# Altium PCB LimeNet-Micro_2v0.PcbDoc (part 11 of 11)
Units mm, origin at the board's own origin, x right, y up, seen from the top; angles counter-clockwise.
Board outline 75 x 143 mm, 6 copper layers (Top, L2, L3, L4, L5, Bottom), stack 1.583 mm thick; 781 components, 551 nets, 3551 pads, 1336 vias.
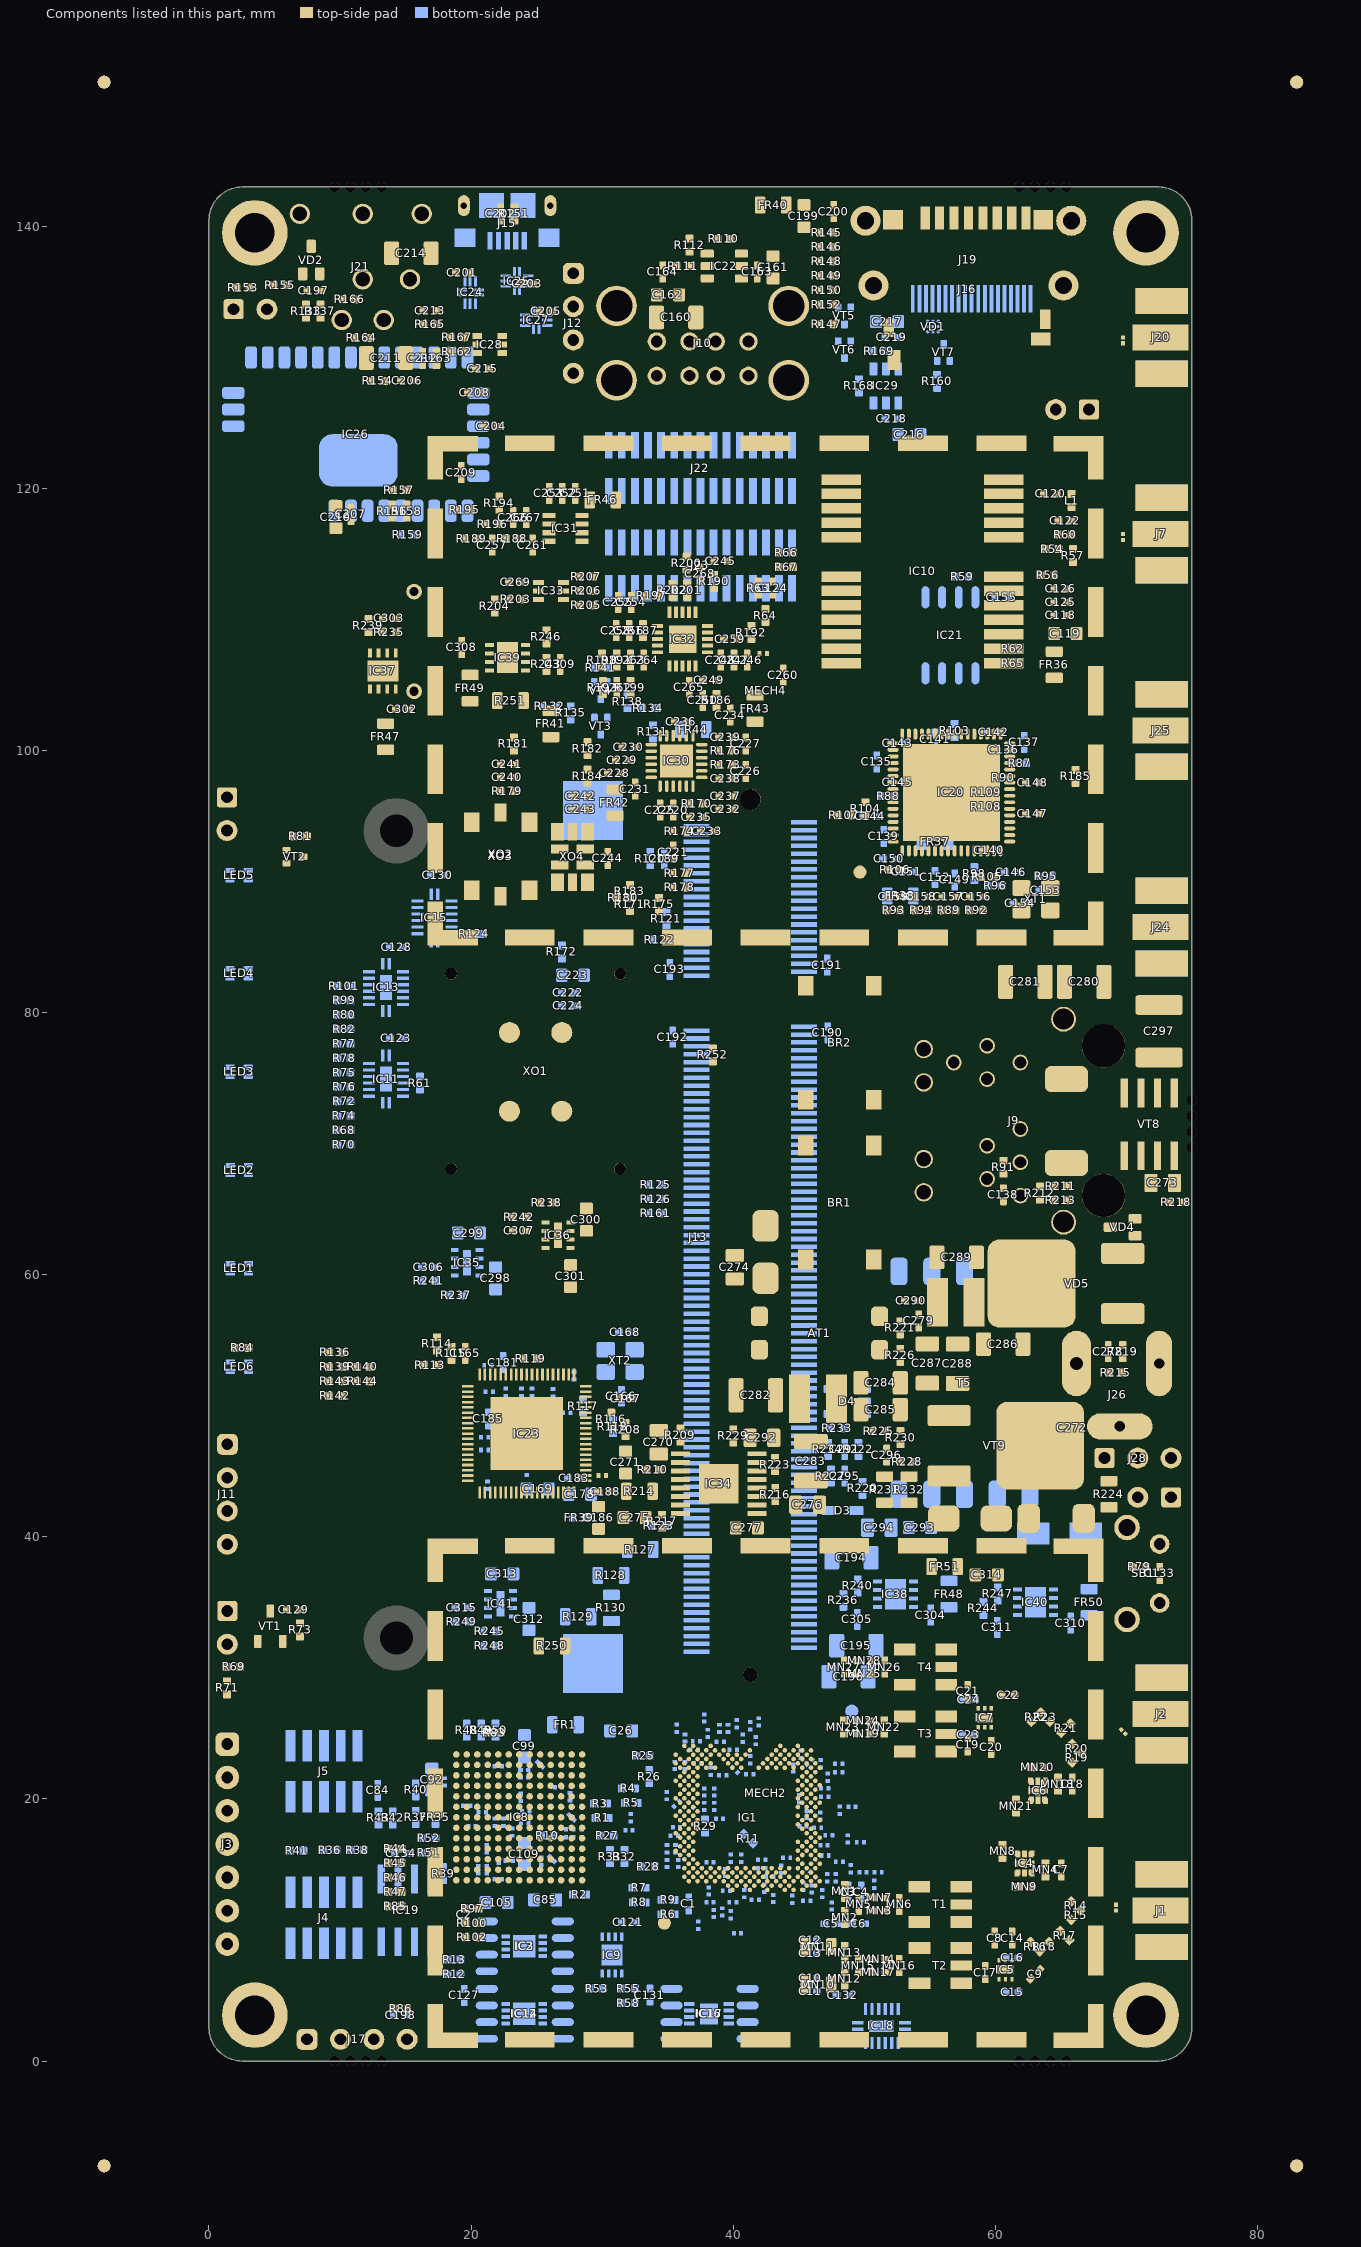
[diagram p15: the components of this part, seen from the top]

## Other copper (continued)
Bottom:
  pour cut-out: 57.631,123.194 56.694,124.131 cw(c58.49,125.927) 55.95,125.927 55.95,126.877 cw(c56.889,126.877) 56.225,127.541 ccw(c55.803,127.964) 56.4,127.964 56.4,128.786 cw(c57.159,128.786) 56.622,129.322 56.775,129.475 ccw(c56.232,130.018) 57,130.018 57,132.15 58.614,132.15 58.614,123.194
  pour cut-out: 62,112.175 62,112.605 ccw(c60.805,112.605) 61.65,113.45 ccw(c60.564,112.364) 60.564,113.9 56.377,113.9 ccw(c56.377,111.36) 54.581,113.156 53.919,112.494 ccw(c55.715,110.698) 53.175,110.698 53.175,105.557 ccw(c55.094,105.557) 53.737,104.2 53.831,104.106 cw(c52.035,102.31) 54.575,102.31 54.575,100.532 ccw(c56.282,100.532) 55.075,99.325 56.431,97.969 ccw(c58.227,99.765) 58.227,97.225 60.975,97.225 cw(c60.975,96.125) 62.075,96.125 62.075,95.55 cw(c61.7,95.55) 61.7,95.175 58.677,95.175 cw(c58.677,97.715) 56.881,95.919 54.244,98.556 cw(c56.04,100.352) 53.5,100.352 53.5,102.239 ccw(c52.134,102.239) 53.1,103.205 52.844,103.461 cw(c54.64,105.257) 52.1,105.257 52.1,111.098 cw(c54.64,111.098) 52.844,112.894 54.131,114.181 cw(c55.927,112.385) 55.927,114.925 60.573,114.925 cw(c60.573,112.385) 62.369,114.181 62.456,114.094 cw(c60.66,112.298) 63.2,112.298 63.2,112.15 cw(c62.85,112.15) 62.85,111.8 62.375,111.8 cw(c62.375,112.175)
  pour cut-out: 46.4,42.025 44.276,42.025 cw(c44.276,43.193) 43.45,42.367 cw(c44.536,43.454) 43,43.454 43,65.148 ccw(c40.46,65.148) 42.256,66.944 40.969,68.231 cw(c42.765,70.027) 40.225,70.027 40.225,101.508 ccw(c37.685,101.508) 39.481,103.304 35.229,107.556 ccw(c33.433,105.76) 33.433,108.3 29.1,108.3 cw(c29.1,109.2) 28.2,109.2 28.2,124.563 ccw(c25.66,124.563) 27.456,126.359 26.866,126.949 cw(c27.993,128.075) 26.4,128.075 26.4,128.319 ccw(c24.212,128.319) 25.759,129.866 23.275,132.35 cw(c24.422,133.497) 22.8,133.497 22.8,134.075 ccw(c21.45,134.075) 21.45,135.425 19.947,135.425 19.947,134.5 21.275,134.5 cw(c21.275,133.925) 21.85,133.925 21.85,133.615 ccw(c24.39,133.615) 22.594,131.819 24.857,129.555 cw(c23.547,128.245) 25.4,128.245 25.4,128.024 ccw(c27.94,128.024) 26.144,126.228 26.472,125.9 cw(c24.775,124.203) 27.175,124.203 27.175,109.075 ccw(c28.95,109.075) 28.95,107.3 32.985,107.3 cw(c32.985,104.76) 34.781,106.556 38.662,102.675 cw(c37.287,101.3) 39.232,101.3 39.232,69.445 ccw(c41.772,69.445) 39.976,67.649 41.156,66.469 cw(c39.36,64.673) 41.9,64.673 41.9,43.038 ccw(c43.969,43.038) 42.506,41.575 42.512,41.569 ccw(c44.308,43.365) 44.308,40.825 46.416,40.825
  pour cut-out: 62.318,10.797 ccw(c63.068,10.797) 63.068,10.047 ccw(c63.068,10.797) 63.819,10.797 ccw(c63.068,10.797) 63.068,11.547 ccw(c63.068,10.797)
  pour cut-out: 62.475,12.141 ccw(c61.725,12.141) 61.725,12.891 ccw(c61.725,12.141) 60.975,12.141 ccw(c61.725,12.141) 61.725,11.391 ccw(c61.725,12.141)
  pour cut-out: 62.008,23.408 ccw(c62.758,23.408) 62.758,22.658 ccw(c62.758,23.408) 63.508,23.408 ccw(c62.758,23.408) 62.758,24.158 ccw(c62.758,23.408)
  pour cut-out: 61.75,25.14 ccw(c61.75,25.89) 62.5,25.89 ccw(c61.75,25.89) 61.75,26.64 ccw(c61.75,25.89) 61,25.89 ccw(c61.75,25.89)
  pour cut-out: 3.65,126.77 ccw(c3.65,126.02) 2.9,126.02 ccw(c3.65,126.02) 3.65,125.27 ccw(c3.65,126.02) 4.4,126.02 ccw(c3.65,126.02)
  pour cut-out: 44.271,58.225 46.4,58.225 ccw(c46.4,58.811) 46.986,58.811 46.986,75.659 cw(c49.526,75.659) 47.73,77.455 56.375,86.1 cw(c58.171,84.304) 58.171,86.844 62.626,86.844 ccw(c62.626,89.384) 64.422,87.587 64.55,87.715 ccw(c63.705,88.56) 64.9,88.56 64.9,114.873 ccw(c62.36,114.873) 64.156,116.669 57.719,123.106 cw(c59.515,124.902) 56.975,124.902 56.975,135.5 63.025,135.5 63.025,124.302 ccw(c65.565,124.302) 63.769,122.506 67.756,118.519 cw(c65.96,116.723) 68.5,116.723 68.5,86.652 cw(c65.96,86.652) 67.756,84.856 66.219,83.319 cw(c64.423,85.115) 64.423,82.575 59.777,82.575 ccw(c59.777,80.035) 57.981,81.831 51.773,75.623 ccw(c53.569,73.827) 51.029,73.827 51.029,55.804 cw(c46.85,55.804) 46.85,51.625 44.271,51.625
  pour cut-out: 63.125,96.125 63.125,95.8 61.65,94.325 61.65,91.85 62.525,90.975 64.044,90.975 64.894,91.825 64.894,113.454 ccw(c62.354,113.454) 64.15,115.25 58.762,120.638 ccw(c56.966,118.842) 56.966,121.382 52.52,121.382 cw(c52.52,123.922) 50.724,122.126 48.225,124.625 cw(c49.176,125.576) 47.831,125.576 47.831,127.125 ccw(c45.327,127.125) 47.097,128.896 42.287,133.706 ccw(c40.491,131.91) 40.491,134.45 38.04,134.45 ccw(c38.04,131.91) 35.5,131.91 35.5,131.2 ccw(c36.6,131.2) 36.6,130.1 38.7,130.1 ccw(c38.7,131.275) 39.875,131.275 39.875,132.493 cw(c40.525,132.493) 40.525,133.143 cw(c40.525,130.713) 42.244,132.431 45.831,128.844 cw(c44.035,127.048) 46.575,127.048 cw(c45.735,127.048) 46.329,126.454 46.175,126.3 cw(c45.813,126.662) 45.813,126.15 41.4,126.15 cw(c41.4,127.825) 39.725,127.825 39.725,128.8 ccw(c38.775,128.8) 38.775,129.75 36.425,129.75 ccw(c36.425,128.875) 35.55,128.875 35.55,127.49 ccw(c38.09,127.49) 38.09,124.95 43.373,124.95 cw(c43.373,122.41) 45.169,124.206 49.381,119.994 ccw(c51.177,121.79) 51.177,119.25 55.948,119.25 cw(c55.948,116.71) 57.744,118.506 62.675,113.575 cw(c61.602,112.502) 63.12,112.502 63.12,96.15
  pour cut-out: 62.59,11.38 cw(c62.995,10.976) 62.995,11.547 63.756,12.309 ccw(c61.96,14.105) 64.5,14.105 64.5,18.487 ccw(c62.793,18.487) 64,19.694 63.024,20.67 cw(c64.82,22.466) 62.28,22.466 62.28,22.826 63.236,22.826 ccw(c65.142,22.826) 63.795,21.478 64.831,20.442 cw(c63.035,18.646) 65.575,18.646 65.575,13.659 cw(c62.589,13.659) 64.7,11.547 63.804,10.651 63.319,10.651
  pour cut-out: 61.142,12.619 61.142,13.259 ccw(c60.315,13.259) 60.9,13.844 60.694,14.05 cw(c62.49,15.846) 59.95,15.846 59.95,23.862 cw(c62.49,23.862) 60.694,25.658 61,25.964 ccw(c61.179,26.142) 61.179,25.89 61.75,25.89 61.75,24.94 ccw(c63.157,23.534) 61.168,23.534 61.168,15.891 ccw(c62.302,15.891) 61.5,15.089 61.564,15.025 cw(c59.768,13.229) 62.308,13.229 62.308,12.619
  region net GND: 22.25,135.184 22.459,134.975 22.797,134.975 23.052,135.23 23.052,135.523 23.05,135.525 22.25,135.525
  region net GND: 51.975,59.325 51.975,63.525 53.55,65.1 58.825,65.1 59.227,64.698 59.227,62.277 58.85,61.9 56.519,61.9 56,61.381 56,59.3 55.7,59 52.3,59
  region net NetR219_1: 69.6,62.4 69.6,60.2 65.4,56 59.823,56 56.48,59.343 56.48,61.28 56.8,61.6 61.1,61.6 61.3,61.4 61.3,59.4 61.7,59 63.45,59 67.065,62.615 69.385,62.615
  region net VCC3P3_2: 38.1,83.125 38.225,83 38.225,82.575 37.825,82.175 34.625,82.175 34.625,82.55 35.2,83.125
  region net VCC3P3_2: 38.1,78.325 38.225,78.45 38.225,78.875 37.825,79.275 34.625,79.275 34.625,78.5 34.8,78.325
  region net VCC1P25_LMS: 40,11.05 40.225,10.825 40.225,9.575 39.75,9.1 37.875,9.1 37.15,9.825 37.15,10.25 38.175,10.25 38.413,10.013 38.963,10.013 39.225,10.25 39.5,10.525 39.5,10.925 39.625,11.05
  region net NetC189_1: 38.225,92.8 35.925,92.8 35.075,91.95 33.325,91.95 33.325,92.75 34.425,93.85 38.225,93.85
  region net VCC1P8_LMS: 57.288,36.736 61.413,36.736 61.738,37.061 64.963,37.061 66.413,35.611 67.913,35.611 68.088,35.786 68.088,37.136 66.138,39.086 56.713,39.086 55.638,38.011 55.638,35.862 55.714,35.786 57.136,35.786 57.211,35.861 57.211,36.659
  region net NetC304_2: 53.38,34.279 53.605,34.054 57.005,34.054 57.23,34.279 57.23,35.129 57.055,35.304 54.48,35.304 54.18,35.004 53.53,35.004 53.38,34.854
  region net GND: 52.375,35.618 52.92,35.618 52.92,33.782 52.375,33.782
  region net GND: 52.375,35.618 51.83,35.618 51.83,33.782 52.375,33.782
  region net GND: 52.375,35.618 52.92,35.618 52.92,37.454 52.375,37.454
  region net GND: 52.375,35.618 51.83,35.618 51.83,37.454 52.375,37.454
  region net VCC1P25_LMS: 51.355,34.154 50.905,33.704 47.805,33.704 47.58,33.929 47.58,34.829 47.755,35.004 51.155,35.004 51.355,34.804
  region net VCC1P4_LMS: 62.038,33.536 61.588,33.086 58.488,33.086 58.263,33.311 58.263,34.211 58.438,34.386 61.838,34.386 62.038,34.186
  region net GND: 63.058,35 62.513,35 62.513,36.836 63.058,36.836
  region net GND: 63.058,35 63.604,35 63.604,36.836 63.058,36.836
  region net GND: 63.058,35 62.513,35 62.513,33.164 63.058,33.164
  region net GND: 63.058,35 63.604,35 63.604,33.164 63.058,33.164
  region net NetC310_2: 64.063,33.661 64.288,33.436 67.688,33.436 67.913,33.661 67.913,34.511 67.738,34.686 65.163,34.686 64.863,34.386 64.213,34.386 64.063,34.236
  region net VCC1P8_LMS: 45.678,6.676 45.204,6.676 44.722,6.194 44.722,5.469 45.215,4.976 45.678,4.976
  region net VCC1P8_LMS: 45.678,9.575 45.204,9.575 44.722,9.094 44.722,8.369 45.215,7.875 45.678,7.875
  region net VCC1P8_LMS: 47.672,10.119 47.997,9.794 49.047,9.794 49.372,10.119 49.372,10.819 47.672,10.819
  region net VCC1P8_LMS: 47.625,13.825 47.625,13.55 48.081,13.094 48.422,13.094 48.497,13.019 50.972,13.019 51.022,13.069 51.022,13.319 50.947,13.394 50.522,13.394 49.797,14.119 48.194,14.119 48.044,13.969 47.769,13.969
  region net NetC73_1: 45.606,22.853 45.406,23.053 45.406,23.303 44.956,23.303 44.956,21.778 45.146,21.588 45.606,22.048
  region net NetC72_1: 40.957,24.11 40.957,24.452 40.906,24.503 40.556,24.503 40.556,24.036 40.557,24.035
  region net NetC72_1: 40.557,23.51 40.557,24.035 40.657,24.135 40.932,24.135 40.957,24.11 40.957,23.81 40.732,23.585 40.614,23.467
  region net GND: 40.555,22.527 40.913,22.885 41.482,22.885 41.482,22.56 41.299,22.378 40.608,22.378
  region net GND: 39.106,19.413 39.625,18.894 39.625,17.978 38.681,17.978 38.681,16.228 40.831,16.228 40.831,16.295 39.856,17.27 39.856,17.503 40.706,18.353 40.981,18.353 42.656,16.678 44.159,16.678 44.556,17.075 44.556,20.331 44.068,20.818 44.068,23.428 42.681,23.428 42.422,23.169 42.422,22.094 41.356,21.028 40.631,21.028 40.39,21.269 39.106,21.269
  region net GND: 40.831,11.353 40.831,12.423 40.756,12.498 41.381,12.498 41.401,12.478 41.306,12.383 41.306,11.453
  region net NetC26_2: 37.107,17.135 37.657,17.685 37.907,17.685 37.907,17.16 37.615,16.869 37.222,16.869 37.107,16.984
  region net VCC1P8: 22.197,13.694 23.172,13.694 23.472,13.994 23.472,15.069 23.297,15.244 23.155,15.244 22.605,14.694 21.947,14.694 21.947,14.319 22.197,14.069
  region net GND: 39.331,12.553 39.331,12.153 39.581,11.903 39.906,11.903 39.906,12.833 39.761,12.978
  region net NetC49_1: 35.946,16.219 33.397,16.219 32.972,15.794 30.247,15.794 30.247,16.6 30.348,16.702 32.25,16.702 32.367,16.819 35.402,16.819 35.777,17.194 35.946,17.025
  region net NetC26_2: 32.922,23.594 31.819,23.594 31.447,23.222 31.447,21.3 32.306,21.3 32.922,21.916
  region net VCC3P3: 20.722,18.794 20.722,19.294 20.497,19.519 20.497,19.819 20.472,19.819 20.297,19.994 19.972,19.994 19.772,19.794 19.772,18.969 19.947,18.794
  region net RAPI_VCC1P8: 33.5,39.775 34.537,39.775 35.087,39.225 35.087,37.388 36.175,36.3 38.725,36.3 39.05,36.625 46.475,36.625 46.901,37.051 46.901,39.201 47.025,39.325 48.028,39.325 48.15,39.203 48.15,36.35 47.25,35.45 39.65,35.45 39.3,35.1 35.325,35.1 33.5,36.925
  region net RAPI_VBAT: 28.837,34.562 32.513,34.562 34.95,32.125 38.65,32.125 38.925,31.85 43.925,31.85 44.425,32.35 46.45,32.35 46.45,30.725 46.125,30.4 33.975,30.4 31.55,32.825 29.1,32.825 28.775,33.15 28.775,34.5
  region net RAPI_VBAT: 46.45,30.725 46.9,30.275 47.875,30.275 47.875,28.25 45.475,28.25 43,30.725
  region net VCC1P8: 54.95,37.55 53.45,37.55 53.075,37.925 53.075,39.025 53.1,39.05 54.95,39.05
  region net VCC5P0: 29.331,36.125 31.9,36.125 32.25,35.775 32.25,35.05 31.9,34.7 29.475,34.7 29.197,34.978 29.197,35.991
  region net VCC3P3A: 17,20.625 16.575,20.625 16.175,20.225 16.175,19.425 16.806,18.794 17.622,18.794 17.622,20.378 17.375,20.625
  region net VCC3P3_2: 36.85,83.125 36.85,78.325 34.8,78.325 33.075,78.325 32.425,78.975 32.425,80.625 34.925,83.125
  region net VCC3P3A_ETH: 53.35,87.65 54.375,87.65 55.05,86.975 55.9,86.975 56.075,87.15 56.075,89.8 55.75,90.125 54.9,90.125 54.275,89.5 53.35,89.5
  region net VCC3P3A_ETH: 53.35,89.5 53.35,90.975 52.925,91.4 52.125,91.4 52.125,92.1 54,92.1 54.9,91.2 54.9,90.125 54.275,89.5
  region net GND: 29.3,30.325 28.725,30.325 28.725,27.625 29.3,27.625
  region net GND: 29.3,30.325 29.875,30.325 29.875,27.625 29.3,27.625
  region net GND: 29.3,95.425 28.725,95.425 28.725,98.125 29.3,98.125
  region net GND: 29.3,95.425 29.875,95.425 29.875,98.125 29.3,98.125
  region net GND: 29.3,95.425 29.875,95.425 29.875,92.725 29.3,92.725
  region net GND: 29.3,95.425 28.725,95.425 28.725,92.725 29.3,92.725
  region net GND: 14.3,93.375 14.875,93.375 14.875,90.675 14.3,90.675
  region net GND: 14.3,93.375 13.725,93.375 13.725,90.675 14.3,90.675
  region net GND: 14.8,93.875 14.8,93.3 17.5,93.3 17.5,93.875
  region net GND: 14.8,93.875 14.8,94.45 17.5,94.45 17.5,93.875
  region net GND: 14.3,94.375 14.875,94.375 14.875,97.075 14.3,97.075
  region net GND: 14.3,94.375 13.725,94.375 13.725,97.075 14.3,97.075
  region net GND: 13.8,93.875 13.8,94.45 11.1,94.45 11.1,93.875
  region net GND: 13.8,93.875 13.8,93.3 11.1,93.3 11.1,93.875
  region net GND: 3,139.5 3,138.925 0.3,138.925 0.3,139.5
  region net GND: 3,139.5 3,140.075 0.3,140.075 0.3,139.5
  region net GND: 3.5,140 2.925,140 2.925,142.7 3.5,142.7
  region net GND: 3.5,140 4.075,140 4.075,142.7 3.5,142.7
  region net GND: 4,139.5 4,140.075 6.7,140.075 6.7,139.5
  region net GND: 4,139.5 4,138.925 6.7,138.925 6.7,139.5
  region net GND: 3.5,139 2.925,139 2.925,136.3 3.5,136.3
  region net GND: 3.5,139 4.075,139 4.075,136.3 3.5,136.3
  region net GND: 71,139.5 71,138.925 68.3,138.925 68.3,139.5
  region net GND: 71,139.5 71,140.075 68.3,140.075 68.3,139.5
  region net GND: 71.5,140 70.925,140 70.925,142.7 71.5,142.7
  region net GND: 71.5,140 72.075,140 72.075,142.7 71.5,142.7
  region net GND: 72,139.5 72,140.075 74.7,140.075 74.7,139.5
  region net GND: 72,139.5 72,138.925 74.7,138.925 74.7,139.5
  region net GND: 71.5,139 70.925,139 70.925,136.3 71.5,136.3
  region net GND: 71.5,139 72.075,139 72.075,136.3 71.5,136.3
  region net GND: 3,3.46 3,2.885 0.3,2.885 0.3,3.46
  region net GND: 3,3.46 3,4.035 0.3,4.035 0.3,3.46
  region net GND: 3.5,3.96 2.925,3.96 2.925,6.66 3.5,6.66
  region net GND: 3.5,3.96 4.075,3.96 4.075,6.66 3.5,6.66
  region net GND: 4,3.46 4,4.035 6.7,4.035 6.7,3.46
  region net GND: 4,3.46 4,2.885 6.7,2.885 6.7,3.46
  region net GND: 3.5,2.96 2.925,2.96 2.925,0.26 3.5,0.26
  region net GND: 3.5,2.96 4.075,2.96 4.075,0.26 3.5,0.26
  region net GND: 71,3.5 71,2.925 68.3,2.925 68.3,3.5
  region net GND: 71,3.5 71,4.075 68.3,4.075 68.3,3.5
  region net GND: 71.5,4 70.925,4 70.925,6.7 71.5,6.7
  region net GND: 71.5,4 72.075,4 72.075,6.7 71.5,6.7
  region net GND: 72,3.5 72,4.075 74.7,4.075 74.7,3.5
  region net GND: 72,3.5 72,2.925 74.7,2.925 74.7,3.5
  region net GND: 71.5,3 70.925,3 70.925,0.3 71.5,0.3
  region net GND: 71.5,3 72.075,3 72.075,0.3 71.5,0.3
  region net GND: 13.8,32.275 13.8,31.7 11.1,31.7 11.1,32.275
  region net GND: 13.8,32.275 13.8,32.85 11.1,32.85 11.1,32.275
  region net GND: 14.3,32.775 13.725,32.775 13.725,35.475 14.3,35.475
  region net GND: 14.3,32.775 14.875,32.775 14.875,35.475 14.3,35.475
  region net GND: 14.3,31.775 13.725,31.775 13.725,29.075 14.3,29.075
  region net GND: 14.3,31.775 14.875,31.775 14.875,29.075 14.3,29.075
  region net GND: 72.7,104.295 72.125,104.295 72.125,105.875 72.7,105.875
  region net GND: 72.7,104.295 73.275,104.295 73.275,105.875 72.7,105.875
  region net GND: 72.7,104.295 72.7,104.87 70.175,104.87 70.175,104.295
  region net GND: 72.7,104.295 72.7,103.72 70.175,103.72 70.175,104.295
  region net GND: 72.7,98.755 72.7,99.33 70.175,99.33 70.175,98.755
  region net GND: 72.7,98.755 72.7,98.18 70.175,98.18 70.175,98.755
  region net GND: 72.7,98.755 73.275,98.755 73.275,97.175 72.7,97.175
  region net GND: 72.7,98.755 72.125,98.755 72.125,97.175 72.7,97.175
  region net GND: 72.7,83.755 72.125,83.755 72.125,82.175 72.7,82.175
  region net GND: 72.7,83.755 73.275,83.755 73.275,82.175 72.7,82.175
  region net GND: 72.7,83.755 72.7,83.18 70.175,83.18 70.175,83.755
  region net GND: 72.7,83.755 72.7,84.33 70.175,84.33 70.175,83.755
  region net GND: 72.7,89.295 72.7,88.72 70.175,88.72 70.175,89.295
  region net GND: 72.7,89.295 72.7,89.87 70.175,89.87 70.175,89.295
  region net GND: 72.7,89.295 73.275,89.295 73.275,90.875 72.7,90.875
  region net GND: 72.7,89.295 72.125,89.295 72.125,90.875 72.7,90.875
  region net GND: 72.7,89.295 72.125,89.295 72.125,87.715 72.7,87.715
  region net GND: 72.7,89.295 73.275,89.295 73.275,87.715 72.7,87.715
  region net GND: 72.7,98.755 72.125,98.755 72.125,100.335 72.7,100.335
  region net GND: 72.7,98.755 73.275,98.755 73.275,100.335 72.7,100.335
  region net GND: 72.7,83.755 72.125,83.755 72.125,85.335 72.7,85.335
  region net GND: 72.7,83.755 73.275,83.755 73.275,85.335 72.7,85.335
  region net GND: 72.7,104.295 72.125,104.295 72.125,102.715 72.7,102.715
  region net GND: 72.7,104.295 73.275,104.295 73.275,102.715 72.7,102.715
  region net GND: 72.7,119.295 72.125,119.295 72.125,117.715 72.7,117.715
  region net GND: 72.7,119.295 73.275,119.295 73.275,117.715 72.7,117.715
  region net GND: 72.7,113.755 72.125,113.755 72.125,115.335 72.7,115.335
  region net GND: 72.7,113.755 73.275,113.755 73.275,115.335 72.7,115.335
  region net GND: 72.7,113.755 72.125,113.755 72.125,112.175 72.7,112.175
  region net GND: 72.7,113.755 73.275,113.755 73.275,112.175 72.7,112.175
  region net GND: 72.7,29.245 73.275,29.245 73.275,30.825 72.7,30.825
  region net GND: 72.7,29.245 72.125,29.245 72.125,30.825 72.7,30.825
  region net GND: 72.7,29.245 72.7,29.82 70.175,29.82 70.175,29.245
  region net GND: 72.7,29.245 72.7,28.67 70.175,28.67 70.175,29.245
  region net GND: 72.7,29.245 73.275,29.245 73.275,27.665 72.7,27.665
  region net GND: 72.7,29.245 72.125,29.245 72.125,27.665 72.7,27.665
  region net GND: 72.7,23.705 73.275,23.705 73.275,25.285 72.7,25.285
  region net GND: 72.7,23.705 72.125,23.705 72.125,25.285 72.7,25.285
  region net GND: 72.7,23.705 72.7,24.28 70.175,24.28 70.175,23.705
  region net GND: 72.7,23.705 72.7,23.13 70.175,23.13 70.175,23.705
  region net GND: 72.7,23.705 73.275,23.705 73.275,22.125 72.7,22.125
  region net GND: 72.7,23.705 72.125,23.705 72.125,22.125 72.7,22.125
  region net GND: 72.7,14.245 73.275,14.245 73.275,15.825 72.7,15.825
  region net GND: 72.7,14.245 72.125,14.245 72.125,15.825 72.7,15.825
  region net GND: 72.7,14.245 72.7,14.82 70.175,14.82 70.175,14.245
  region net GND: 72.7,14.245 72.7,13.67 70.175,13.67 70.175,14.245
  region net GND: 72.7,14.245 73.275,14.245 73.275,12.665 72.7,12.665
  region net GND: 72.7,14.245 72.125,14.245 72.125,12.665 72.7,12.665
  region net GND: 72.7,8.705 73.275,8.705 73.275,10.285 72.7,10.285
  region net GND: 72.7,8.705 72.125,8.705 72.125,10.285 72.7,10.285
  region net GND: 72.7,8.705 72.7,9.28 70.175,9.28 70.175,8.705
  region net GND: 72.7,8.705 72.7,8.13 70.175,8.13 70.175,8.705
  region net GND: 72.7,8.705 73.275,8.705 73.275,7.125 72.7,7.125
  region net GND: 72.7,8.705 72.125,8.705 72.125,7.125 72.7,7.125
  region net GND: 34.775,16.025 35.8,16.025 36,15.825 36,15.225 35.9,15.125 34.9,15.125 34.775,15.25
  region net VCC3P3A_ETH: 61.2,91.225 61.1,91.325 60.3,91.325 60.2,91.225 60.2,90.675 60.5,90.375 61,90.375 61.2,90.575
  region net VCC5P0_HDMI: 54.05,135.3 54.05,135.52 53.945,135.625 53.65,135.625 53.65,136.225 54.325,136.225 54.475,136.075 54.475,135.625 54.35,135.5 54.35,135.3
  pour cut-out: 8.3,124.14 8.3,99 0,99 0,124.14
  region net VCC3P3_2: 49.025,84.925 50.225,86.125 50.225,88.4 51.325,89.5 52.25,89.5 52.25,87.65 51.975,87.375 51.975,84.775 50.575,83.375
  region net VCC3P3_2: 47.525,83.425 49.025,84.925 50.525,84.925 51.1,84.35 51.1,83.9 49.225,82.025 48.5,82.025 47.35,80.875 47.35,79.75 47.8,79.3 47.8,78.625 45.475,78.625 45.475,83.425
  region net VCC3P3_2: 44.5,78.625 44.375,78.75 44.375,79.175 44.575,79.375 47.725,79.375 47.975,79.125 47.975,78.8 47.8,78.625
  region net VCC3P3_2: 44.5,83.425 44.375,83.3 44.375,82.875 44.575,82.675 47.725,82.675 47.975,82.925 47.975,83.25 47.8,83.425
  region net NetC284_2: 56.8,44.325 56.8,40.542 57.117,40.225 58.451,40.225 58.625,40.399 58.625,44.325 58.4,44.55 57.025,44.55
  region net NetD2_A: 60.725,42.15 61.05,42.475 61.05,45.925 59.95,47.025 58.6,47.025 58.475,46.9 58.475,45.525 59.125,44.875 59.125,42.584 59.559,42.15
  region net VCC5P0_POE: 54.545,55.995 54.675,56.125 56.8,56.125 56.95,55.975 56.95,55.275 56.8,55.125 54.795,55.125 54.545,55.375
  region net POE_GND: 52.184,42.2 51.6,42.784 51.6,43.85 52.05,44.3 53.455,44.3 54.025,43.73 54.025,42.775 53.45,42.2
  region net GND: 61.65,39.4 65.125,39.4 65.125,41.1 61.65,41.1
  region net VCC3P3: 27.075,19.95 27.075,18.075 27.175,17.975 27.425,17.975 27.525,18.075 27.525,18.6 27.725,18.8 27.725,19.8 27.425,20.1 27.225,20.1
  region net VCC3P3: 28.197,20.153 28.431,19.919 28.756,20.244 28.522,20.478
  region net VCC3P3: 29.036,21.077 30.072,20.041 30.072,18.319 30.197,18.194 30.872,18.194 32.022,19.344 32.022,20.219 31.797,20.444 31.797,21.144 30.775,21.144 29.939,21.98
  region net RAPI_VCC3P3: 31.275,36.3 31.947,36.3 35.447,32.8 43.55,32.8 43.775,33.025 46.568,33.025 46.818,32.775 46.818,31.057 47.15,30.725 48.568,30.725 48.718,30.875 48.718,32.657 47.95,33.425 47.665,33.425 46.904,34.186 40.069,34.186 39.805,34.45 35.572,34.45 32.222,37.8 31.275,37.8
  region net VCC1P8: 31.425,38.5 31.925,38 32.8,38 33,38.2 33,39.5 32.625,39.875 31.625,39.875 31.425,39.675
  region net VCC1P8: 22.9,35.725 22.775,35.85 22.775,37.775 24.1,37.775 24.475,37.4 24.475,36.425 23.775,35.725
  region net VCC5P0: 22.9,34.275 23.65,34.275 24.2,33.725 25.375,33.725 25.375,35.45 24.175,35.45 23.65,34.925 22.9,34.925
  region net VCC1P8: 31.625,39.875 31.3,39.55 25.299,39.55 23.525,37.776 23.525,37.375 24.475,36.425 26.05,38 31.925,38
  region net VCC5P0: 20.35,60.275 21.1,60.275 21.65,59.725 22.825,59.725 22.825,61.45 21.625,61.45 21.1,60.925 20.35,60.925
  region net VCC3P3: 20.35,61.725 20.225,61.85 20.225,63.775 21.55,63.775 21.925,63.4 21.925,62.425 21.225,61.725
  region net VCC3P3_2: 52.25,89.5 51.484,90.266 49.25,92.5 49.25,99.425 50.175,100.35 52.375,100.35 52.375,101.225 51.6,102 48.675,102 47.4,100.725 47.4,91.225 50.225,88.4 51.15,88.4
  region net VCC3P3: 21.55,63.775 21.85,63.775 22.125,63.5 22.125,62.1 21.75,61.725 21.225,61.725 21.225,63.45
  region net VCC5P0: 22.825,61.45 24.025,61.45 24.525,60.95 24.525,60.405 25.205,59.725 27.8,59.725 30.1,62.025 31.088,62.025 31.25,61.863 31.25,60.9 28.4,58.05 24.5,58.05 22.825,59.725
  region net VCC5P0: 29.459,36.125 24.85,36.125 24.175,35.45 24.2,35.425 24.2,33.725 25.375,33.725 26.35,34.7 29.475,34.7
  region net VCC3P3_2: 26.837,34.562 26.725,34.45 26.725,33.113 26.988,32.85 28.05,32.85 28.5,33.3 28.5,33.975 27.912,34.562
  region net VCC3P3_2: 30.075,37.8 28.922,37.8 28.472,37.35 28.472,36.449 28.667,36.254 30.029,36.254 30.075,36.3
  region: 23.277,21.981
  pour cut-out: 47.35,40.9 75,40.9 75,81.525 47.35,81.525

## Silkscreen, mask and mechanical layers (free items; w line width, h text height)
TopOverlay:
  drawing of 468 lines, arcs and shapes, not listed
  text "Wi-Fi 2.4GHz" at 69.075,127.65 h1.25 r90
  text "GNSS" at 69.1,121.2 h1.25
  text "Note: No metal components near hatched area when on-board antenna is used" at 6.15,104.85 h0.55 r90
  text "IN" at 70.575,100.425 h1.25 r90
  text "REF / CLK" at 74.1,92.125 h1.25 r90
  text "or" at 19.025,91.475 h0.5 r90
  text "OUT" at 70.625,84.65 h1.25 r90
  text "RX" at 68.275,20.35 h1
  text "TRXB" at 68.165,18.8 h1
  text "BOM" at 12.65,18.4 h0.9
  text "TRXA" at 68.165,17.225 h1
  text "VER" at 12.675,16.9 h0.9
  text "0" at 12.175,15.85 h0.7
  text "TX" at 68.175,15.7 h1
  text "1" at 12.275,14.675 h0.7
  text "2" at 12.15,13.55 h0.7
  text "3" at 12.125,12.45 h0.7
BottomOverlay:
  drawing of 4982 lines, arcs and shapes, not listed
  text "2x USB2" at 44.43,136.02 h0.9 r270
  text "EXT USB" at 5.625,135.4 h0.7
  text "HDMI" at 62.375,131.388 h0.9
  text "GND" at 23.975,128.75 h0.7 r270
  text "Wi-Fi 2.4GHz" at 66.575,127.725 h1.25 r270
  text "DP" at 23.9,126.9 h0.7 r270
  text "DM" at 23.875,125.075 h0.7 r270
  text "ETH USB" at 21.75,123.625 h0.9 r270
  text "VCC / 5P0" at 23.3,122.7 h0.7 r270
  text "USB boot" at 67.675,121.15 h0.9
  text "Display" at 48.743,118.275 h0.9 r270
  text "ANT" at 68.75,116.463 h1.25 r270
  text "Wi-Fi" at 13.425,115.9 h0.9
  text "GNSS" at 68.775,111.75 h1.25 r270
  text "Camera" at 49.068,111.125 h0.9 r270
  text "Note: No metal components near hatched area when on-board antenna is used" at 1.9,101.675 h0.55 r270
  text "IN" at 68.775,100.338 h1.25 r270
  text "GND" at 3.05,96.178 h0.7 r270
  text "1" at 46.6,94.8 h0.7 r270
  text "2" at 35.25,94.75 h0.7 r270
  text "REF / CLK" at 67.3,92.027 h1.25 r270
  text "VCC3P3" at 3.025,91.55 h0.7 r270
  text "VCC BATT" at 4.525,91.5 h0.9 r270
  text "FPGA" at 3.775,88.15 h0.7
  text "Micro USB" at 67.925,86.5 h0.7
  text "POWER" at 59.3,85.275 h1
  text "FPGA" at 3.75,85.1 h0.7
  text "OUT" at 68.525,84.763 h1.25 r270
  text "J28" at 61.975,84.125 h0.7
  text "SELECTION" at 59.4,83.125 h1
  text "PoE/External" at 66.975,81.725 h0.7
  text "Raspberry CM3(L)" at 21.55,81.625 h1.25 r270
  text "39" at 45.5,81.2 h0.7 r270
  text "42" at 35.875,80.825 h0.7 r270
  text "41" at 45.5,79.2 h0.7 r270
  text "42" at 35.875,79.175 h0.7 r270
  text "FPGA" at 3.75,77.6 h0.7
  text "FPGA" at 3.775,70.1 h0.7
  text "FPGA" at 3.775,62.6 h0.7
  text "Ethernet + (Active) PoE" at 67.75,61.975 h0.7
  text "12-30V" at 74.725,60.05 h0.9
  text "DC" at 68.6,59.525 h1.5
  text "30-60V" at 74.875,58.625 h0.9
  text "VCC3P3" at 4.7,55.131 h0.7
  text "LimeNET-Micro v2.0" at 4.75,46.45 h2.6 r270
  text "GND" at 3.125,45.993 h0.7 r270
  text "SEL" at 64.8,45 h0.6 r270
  text "PWR" at 65.725,44.9 h0.6 r270
  text "DP" at 3.125,43.775 h0.7 r270
  text "VCC" at 69.885,43.1 h0.6
  text "PWR" at 64.8,42.3 h0.6 r270
  text "EXT" at 65.725,42.3 h0.6 r270
  text "5P0" at 69.86,42.15 h0.6
  text "DM" at 3.15,41.187 h0.7 r270
  text "GND" at 74.4,41.176 h0.6
  text "ETH USB" at 4.69,38.975 h0.9 r270
  text "VCC5P0" at 3.125,36.364 h0.7 r270
  text "BTN" at 68.75,35.95 h0.9 r270
  text "FPGA" at 70.05,35.4 h0.9 r270
  text "FAN" at 3.2,31.575 h0.9 r270
  text "200" at 35,30.1 h0.7 r270
  text "VCC" at 3.075,28.8 h0.8
  text "FPGA" at 10.6,27.425 h0.9
  text "FPGA" at 4.275,27.325 h0.9
  text "GPIO" at 10.525,26.072 h0.9
  text "JTAG" at 4.375,25.9 h0.9
  text "GND" at 5.3,23.3 h0.7
  text "RX" at 74.725,20.875 h1.2
  text "TCK" at 5.3,20.85 h0.7
  text "TRXB" at 74.775,19.225 h1.2
  text "TDO" at 5.3,18.307 h0.7
  text "TRXA" at 74.775,16.95 h1.2
  text "TMS" at 5.3,15.764 h0.7
  text "TX" at 74.725,15.25 h1.2
  text "TDI" at 5.15,13.275 h0.7
  text "VCC" at 5.35,11.375 h0.7
  text "1P8" at 5.275,10.129 h0.7
  text "VCC" at 5.375,8.7 h0.7
  text "5P0" at 5.325,7.5 h0.7
  text "o" at 33.375,7.325 h1.2 r270
  text "t" at 32.559,6.593 h2.1 r270
  text "RAPI" at 15.825,5.925 h0.9
  text "FPGA" at 10.5,5.875 h0.9
  text "JTAG" at 10.625,4.5 h0.9
  text "UART" at 15.8,4.5 h0.9
  text "RX" at 13.375,3.2 h0.7
  text "GND" at 8.675,3.175 h0.7
  text "TX" at 11.1,3.175 h0.7
  text "VCC / 3P3" at 19,0.4 h0.7
TopPaste:
  drawing of 56 lines, arcs and shapes, not listed
BottomPaste:
  drawing of 64 lines, arcs and shapes, not listed
TopSolder:
  region: 42.87,62.35 42.795,62.275 42.87,62.275
  region: 39.93,62.35 40.005,62.275 39.93,62.275
  region: 42.87,65.15 42.795,65.225 42.87,65.225
  region: 39.93,65.15 40.005,65.225 39.93,65.225
  region: 42.875,52.475 42.8,52.55 42.875,52.55
  region: 39.935,52.475 40.01,52.55 39.935,52.55
  region: 39.935,49.675 40.01,49.6 39.935,49.6
  region: 42.875,49.675 42.8,49.6 42.875,49.6
  region: 61.9,139.65 65.125,139.65 65.125,141.348 61.9,141.348
  region: 50.45,139.65 53.05,139.65 53.05,141.348 50.45,141.348
BottomSolder:
  region: 37.1,2.65 37.1,3.325 35.375,3.325 35.375,2.65
  region: 37.1,3.92 37.1,4.595 35.375,4.595 35.375,3.92
  region: 39.2,3.92 39.2,4.595 40.925,4.595 40.925,3.92
  region: 39.2,2.65 39.2,3.325 40.925,3.325 40.925,2.65
  region: 62.9,135.575
Mechanical1:
  drawing of 2557 lines, arcs and shapes, not listed
  text "LimeNet-Micro v2.0" at 238.55,287.6 h7
  text "CONTROLLED IMPEDANCE" at 98.65,274.1 h3
  text "STACKUP AND LAYER DESCRIPTION" at 227.65,274.1 h3
  text "GENERAL PARAMETERS" at 112.55,267.6 h1.7
  text "Parameter" at 134.55,263.825 h1.5
  text "Layer/Layers" at 180.05,263.6 h1.5
  text "Value" at 210.05,263.6 h1.5
  text "Top" at 175.05,258.8 h1.5
  text "17.5um" at 202.35,258.8 h1.5
  text "Copper foil thickness" at 99.55,258.6 h1.5
  text "173um (6.8 mils)" at 201.65,254.2 h1.5
  text "Dielectric thickness between layers" at 99.55,253.6 h1.5
  text "4.2" at 202.55,248.8 h1.5
  text "Dielectric permittivity between layers (Er)" at 99.55,248.6 h1.5
  text "Top-L2" at 175.05,247.6 h1.5
  text "17.5um" at 202.35,243.8 h1.5
  text "Copper foil thickness" at 99.55,243.6 h1.5
  text "Bottom" at 175.05,242.6 h1.5
  text "173um (6.8 mils)" at 201.65,239.2 h1.5
  text "Dielectric thickness between layers" at 99.55,238.6 h1.5
  text "TH via" at 361.775,236.075 h1.52
  text "GERBER LAYER NAMES:" at 235.375,234.675 h1.52
  text "4.2" at 202.55,233.8 h1.5
  text "Dielectric permittivity between layers (Er)" at 99.55,233.6 h1.5
  text "Top-Bot" at 361.225,233 h1.52
  text "Bottom-L11" at 175.05,232.7 h1.5
  text "GTP" at 236.475,231.125 h1.52
  text "Top solder paste" at 241.575,230.775 h1
  text "GTO" at 236.475,228.05 h1.52
  text "Silkscreen" at 241.475,227.825 h1
  text "ELECTRICAL LAYERS:" at 375.775,226.575 h1.52
  text "CALCULATIONS" at 98.55,226.1 h1.7
  text "GTS" at 236.475,225.375 h1.52
  text "Soldermask (halogen free)" at 241.475,224.075 h1
  text "Top: RF//PWR/GND" at 376.45,223.1 h1.52
  text "GTL" at 236.475,222.875 h1.52
  text "0.5oz+plating" at 241.475,222.375 h1
  text "Target impedance" at 105.55,221.1 h1.5
  text "Single-ended" at 175.05,221.1 h1.5
  text "50R" at 201.55,221.1 h1.5
  text "6.8mil" at 267.125,220.2 h1
  text "PP" at 263.775,220.075 h1
  text "G1" at 236.475,218.375 h1.52
  text "1oz" at 241.475,218.175 h1
  text "L2: GND" at 376.475,218.075 h1.52
  text "Additional comments" at 105.55,216.1 h1.5
  text "Top layer, no side GND plane" at 175.05,216.1 h1.5
  text "CORE" at 263.775,215.575 h1
  text "G2" at 236.475,213.875 h1.52
  text "1oz" at 241.475,213.675 h1
  text "L3: Signal/PWR/GND" at 376.475,213.575 h1.52
  text "Top layer copper foil thickness" at 105.55,211.1 h1.5
  text "17.5 um" at 175.05,211.1 h1.5
  text "PP" at 263.775,211.075 h1
  text "G3" at 236.475,209.375 h1.52
  text "1oz" at 241.475,209.175 h1
  text "L4: PWR/Signal/GND" at 376.475,209.075 h1.52
  text "CORE" at 263.775,206.575 h1
  text "Track width" at 105.55,206.1 h1.5
  text "0.325 mm (12.795 mils)" at 175.05,206.1 h1.5
  text "G4" at 236.475,204.875 h1.52
  text "1oz" at 241.475,204.675 h1
  text "L5: GND" at 376.575,204.575 h1.52
  text "6.8mil" at 267.3,202.125 h1
  text "PP" at 263.775,202.075 h1
  text "173um (6.8 mils)" at 175.05,201.2 h1.5
  text "Top layer copper foil thickness" at 105.55,201.1 h1.5
  text "GBL" at 236.475,200.375 h1.52
  text "Bottom: RF/Signal/PWR/GND" at 376.525,200.35 h1.52
  text "0.5oz+plating" at 241.475,199.875 h1
  text "GBS" at 236.475,197.875 h1.52
  text "173um (6.8 mils)" at 201.65,197.7 h1.5
  text "Dielectric thickness between layers" at 105.55,197.1 h1.5
  text "Soldermask (halogen free)" at 241.475,196.675 h1
  text "ADDITIONAL LAYERS:" at 378.775,196.075 h1.52
  text "GBO" at 236.475,195.275 h1.52
  text "Silkscreen" at 241.475,195.075 h1
  text "4.2" at 202.55,192.3 h1.5
  text "GBP" at 236.475,192.3 h1.52
  text "Bottom solder paste" at 241.475,192.1 h1
  text "Mechanical 1: Board cutout" at 381.475,191.875 h1.52
  text "Dielectric permittivity between layers (Er)" at 105.55,191.1 h1.5
  text "Top-L2" at 175.05,191.1 h1.5
  text "Total PCB thicknes: 1.6mm +/- 10%" at 260.075,189.575 h1.52
  text "Via type #1" at 318.525,189.375 h1.52
  text "ASM TOP: Assembly top" at 381.475,188.875 h1.52
  text "0.2mm drill / 0.4mm ring" at 359.775,188.133 h1.2
  text "49.99 Ohms (+/- 10% tolerance)" at 175.05,186.2 h1.5
  text "RF (Top)" at 105.05,186.1 h2 r90
  text "Approximate microstrip line impedance" at 105.55,186.1 h1.5
  text "ASM BOT: Assembly bottom" at 381.475,185.875 h1.52
  text "Via type #2" at 318.525,184.375 h1.52
  text "0.4mm drill / 0.8mm ring" at 359.775,183.133 h1.2
  text "Mechanical 13: Component 3D body" at 381.475,182.875 h1.52
  text "Target impedance" at 105.55,181.1 h1.5
  text "Differential" at 175.05,181.1 h1.5
  text "100R" at 201.55,181.1 h1.5
  text "Notes: Board shape and frame" at 381.55,179.95 h1.52
  text "0.2mm drill / 0.35mm ring" at 359.875,176.375 h1.2
  text "Additional comments" at 105.55,176.1 h1.5
  text "Top layer, no side GND plane" at 175.05,176.1 h1.5
  text "Via type #3 (In pad, IC1, resin filled with metal cap)" at 318.125,176 h1.52
  text "Top layer copper foil thickness" at 105.55,171.1 h1.5
  text "17.5 um" at 175.05,171.1 h1.5
  text "0.2mm drill / 0.5mm ring" at 359.875,169.525 h1.2
  text "Via type #4 (In IC1 thermal pad, NO resin fill and metal cap)" at 318.125,166.65 h1.52
  text "Track width" at 105.55,166.1 h1.5
  text "0.2 mm (7.874 mils)" at 175.05,166.1 h1.5
  text "Track spacing" at 105.55,161.1 h1.5
  text "0.14 mm (5.511 mils)" at 175.05,161.1 h1.5
  text "Board Cutout" at 30.675,159.825 h1.5
  text "173um (6.8 mils)" at 175.05,156.2 h1.5
  text "Top layer copper foil thickness" at 105.55,156.1 h1.5
  text "173um (6.8 mils)" at 201.65,152.7 h1.5
  text "Dielectric thickness between layers" at 105.55,152.1 h1.5
  text "4.2" at 202.55,147.3 h1.5
  text "Dielectric permittivity between layers (Er)" at 105.55,146.1 h1.5
  text "Top-L2" at 175.05,146.1 h1.5
  text "100.6 Ohms (+/- 10% tolerance)" at 175.05,141.2 h1.5
  text "RF (Top)" at 105.05,141.1 h2 r90
  text "Approximate microstrip line impedance" at 105.55,141.1 h1.5
  text "Target impedance" at 105.55,136.1 h1.5
  text "Single-ended" at 175.05,136.1 h1.5
  text "50R" at 201.55,136.1 h1.5
  text "Additional comments" at 105.55,131.1 h1.5
  text "Bottom layer, no side GND plane" at 175.05,131.1 h1.5
  text "Top layer copper foil thickness" at 105.55,126.1 h1.5
  text "17.5 um" at 175.05,126.1 h1.5
  text "VERY IMPORTANT NOTES" at 227.65,122.9 h3
  text "Track width" at 105.55,121.1 h1.5
  text "0.325 mm (12.795 mils)" at 175.05,121.1 h1.5
  text "GENERAL PCB SPECS" at 227.65,116.4 h1.7
  text "ADDITIONAL REQUIREMENTS" at 336.65,116.4 h1.7
  text "173um (6.8 mils)" at 175.05,116.2 h1.5
  text "Top layer copper foil thickness" at 105.55,116.1 h1.5
  text "173um (6.8 mils)" at 201.65,112.7 h1.5
  text "Dielectric thickness between layers" at 105.55,112.1 h1.5
  text "Minimum copper to copper spacing" at 228.55,111.4 h1.5
  text "0.1mm (3.9mil)" at 284.05,111.4 h1.5
  text "4.2" at 202.55,107.3 h1.5
  text "Minimum track width" at 228.55,106.4 h1.5
  text "0.1mm (3.9mil)" at 284.05,106.4 h1.5
  text "All 0.2mm vias including 0.35mm ring and 0.2mm drill via-in-pads (IC1) must be resin filled with metal cap." at 341.5,106.4 h1.5
  text "Dielectric permittivity between layers (Er)" at 105.55,106.1 h1.5
  text "Bottom-L5" at 175.05,106.1 h1.5
  text "PCB thickness" at 228.55,101.4 h1.5
  text "1.6mm +/-10%" at 284.05,101.4 h1.5
  text "49.99 Ohms (+/- 10% tolerance)" at 175.05,101.2 h1.5
  text "RF (Bottom)" at 105.05,101.1 h2 r90
  text "Approximate microstrip line impedance" at 105.55,101.1 h1.5
  text "Target impedance" at 105.55,96.1 h1.5
  text "Differential" at 175.05,96.1 h1.5
  text "100R" at 201.55,96.1 h1.5
  text "SO DIMM BOARD" at 21.4,94.425 h1.5
  text "OUTLINE" at 21.375,92.025 h1.5
  text "PCB material" at 228.55,91.4 h1.5
  text "IT-180A preferred or equivalent RF-rated material (up to 3 GHz or higher)" at 285.05,91.3 h1.5
  text "Additional comments" at 105.55,91.1 h1.5
  text "Bottom layer, no side GND plane" at 175.05,91.1 h1.5
  text "IC1 thermal pad vias with 0.4mm ring and 0.2mm drill must be resin filled with metal cap. IC1 thermal pad vias  with 0.5mm ring and 0.2mm drill must be left open (NO resin fill with metal cap). 4 vias in total, marked with note." at 341.5,90.4 h1.5
  text "(for reference only)" at 20.925,90.25 h0.7
  text "Local Fiducial" at 47.15,88.225 h0.7
  text "External layer" at 284.05,86.4 h1.5
  text "0.5 oz+plating" at 310.65,86.4 h1.5
  text "Top layer copper foil thickness" at 105.55,86.1 h1.5
  text "17.5 um" at 175.05,86.1 h1.5
  text "Copper weight" at 228.55,81.6 h1.5
  text "Internal layer" at 284.05,81.4 h1.5
  text "1 oz" at 310.55,81.4 h1.5
  text "Track width" at 105.55,81.1 h1.5
  text "0.2 mm (7.874 mils)" at 175.05,81.1 h1.5
  text "DARK BLUE" at 284.05,76.4 h1.5
  text "Electrical test : 100 % netlist." at 341.5,76.4 h1.5
  text "Track spacing" at 105.55,76.1 h1.5
  text "0.14 mm (5.511 mils)" at 175.05,76.1 h1.5
  text "Both sides" at 284.05,71.4 h1.5
  text "173um (6.8 mils)" at 175.05,71.2 h1.5
  text "Top layer copper foil thickness" at 105.55,71.1 h1.5
  text "173um (6.8 mils)" at 201.65,67.7 h1.5
  text "Dielectric thickness between layers" at 105.55,67.1 h1.5
  text "Halogen free" at 284.05,66.4 h1.5
  text "Boards are to be individually bagged." at 341.5,66.4 h1.5
  text "4.2" at 202.55,62.3 h1.5
  text "Solder mask" at 228.55,61.4 h1.5
  text "Glossy finish (NOT matte)" at 284.05,61.4 h1.5
  text "Dielectric permittivity between layers (Er)" at 105.55,61.1 h1.5
  text "Bottom-L5" at 175.05,61.1 h1.5
  text "White epoxy ink" at 284.05,56.4 h1.5
  text "PCB vendor to silkscreen UL and RoHS compliance marks, vendor logo and date code on bottom where shown (ignore if none of the info will be placed on PCB)" at 341.5,56.4 h1.5
  text "100.6 Ohms (+/- 10% tolerance)" at 175.05,56.2 h1.5
  text "HDMI (Bottom)" at 105.05,56.1 h2 r90
  text "Approximate microstrip line impedance" at 105.55,56.1 h1.5
  text "Both sides" at 284.05,51.4 h1.5
  text "Halogen free" at 284.05,46.4 h1.5
  text "Assembly note: Assembly house MUST provide notes in paper with shipped board if there were any changes during assembly and the board is not assembled 100% according to BOM and P&P files. Note example:" at 341.5,43.4 h1.5
  text "Silkscreen" at 228.55,41.4 h1.5
  text "No silkscreen on pads" at 284.05,41.4 h1.5
  text "Comment" at 402.25,39.35 h1.5
  text "Part" at 342.85,38.1 h1.5
  text "Initial BOM asm. note" at 351.25,38.1 h1.5
  text "Current PCB status" at 369.25,38.1 h1.5
  text "Plated" at 284.05,36.4 h1.5
  text "Non-plated" at 310.55,36.4 h1.5
  text "R1" at 344.1,33.1 h1.5
  text "FIT" at 357.35,33.1 h1.5
  text "NF" at 375.6,33.1 h1.5
  text "Not mounted due to bad footprint" at 386.85,32.6 h1.5
  text "IC5" at 343.6,30.1 h1.5
  text "FIT" at 357.35,30.1 h1.5
  text "NF" at 375.6,29.6 h1.5
  text "Not mounted due to part shortage" at 386.85,29.1 h1.5
  text "Hole types on the PCB and information" at 228.55,26.4 h1.5
  text "Hole diameters are final manufactured diameters INCLUDING HOLE METALIZATION." at 288.25,26.4 h1.5
  text "V-score" at 284.8,21.4 h1.5
  text "Tab route" at 310.55,21.4 h1.5
  text "Route process" at 228.55,16.4 h1.5
  text "V-score and tab route" at 284.8,16.4 h1.5
  text "Panel" at 228.45,11.4 h1.5
  text "Yes" at 284.8,11.4 h1.5
  text "No" at 310.55,11.4 h1.5
  text "Local Fiducial" at 28.375,9.425 h0.7
  text "HASL lead free" at 284.8,6.4 h1.5
  text "Vendor logo, date code,  / RoHS (placed on top). / Possible places are marked." at 24.45,4 h0.55
  text "HASL with lead" at 284.8,1.4 h1.5
  text "Immersion gold" at 284.8,-3.6 h1.5
  text "0.05-0.10um of gold over / 2.50-5.00um of nickel" at 306.2,-3.7 h1
  text "OSP" at 284.8,-8.6 h1.5
  text "Surface finish (both sides)" at 228.35,-13.9 h1.5
  text "Hard gold" at 284.8,-13.9 h1.5
Notes:
  lines w0.1: 8.475,0 8.475,-5 -5,-5 -5,148 8.475,148 8.475,143 ; 14.3,0 14.3,-5 60.7,-5 60.7,0 ; 14.3,143 14.3,148 60.7,148 60.7,143 ; 66.525,0 66.525,-5 80,-5 80,68.6 75,68.6 ; 66.525,143 66.525,148 80,148 80,74.425 75,74.425 ; -15.2,-15.2 -15.2,158.2 90.2,158.2 90.2,-15.2 -15.2,-15.2
  lines w0.3: 0,2.54 ccw(c2.54,2.54) 2.54,0 72.46,0 ccw(c72.46,2.54) 75,2.54 75,140.46 ccw(c72.46,140.46) 72.46,143 2.54,143 ccw(c2.54,140.46) 0,140.46 0,2.54
ASM BOT:
  lines w0.15: 14.889,19.865 15.772,18.594 ; 16.35,27.075 19.825,22.125 20.275,20.55 ; 16.772,14.6 16.772,15.894 ; 16.772,16.994 18.075,16.994 ; 18.95,32.2 21.405,32.775 ; 19.325,20.2 19.692,19.469 ; 19.65,17.15 20.097,17.894 ; 20.872,18.969 20.925,19.475 ; 22.097,13.869 22.85,13.6 ; 22.75,15.8 22.942,15.3 ; 23.25,20.6 23.822,20.119 ; 23.275,18.8 24.025,18.15 ; 24.197,19.069 24.975,19.2 ; 24.397,21.919 24.697,21.344 ; 25.372,15.244 25.825,14.525 ; 25.822,17.194 26.9,15.675 ; 26.8,18.3 27.547,17.669 ; 27.547,17.069 27.75,16.575 ; 27.572,20.169 28.1,20.95 ; 27.697,18.594 28.025,19.025 ; 28.467,17.389 29.175,14.375 ; 30.372,17.194 32.425,16.975 ; 31.3,14.275 31.697,15.594 ; 32.072,17.594 32.825,17.725 ; 46.575,36.75 49.505,36.75 49.505,36.254 ; 46.725,35.225 46.725,35.154 48.405,35.154
  lines w0.2: 48.95,18.275 75.4,18.275 ; 56.575,23.999 56.575,29.2 59.4,29.2 59.4,23.999 56.575,23.999 ; 59.838,3.424 62.663,3.424 62.663,8.625 59.838,8.625 59.838,3.424 ; 75.4,0.975 100.775,0.975 100.775,28.25 75.4,28.25 75.4,0.975
  lines w0.3: 0,2.54 ccw(c2.54,2.54) 2.54,0 72.46,0 ccw(c72.46,2.54) 75,2.54 75,140.46 ccw(c72.46,140.46) 72.46,143 2.54,143 ccw(c2.54,140.46) 0,140.46 0,2.54
  text "Assembly bottom" at 45.8,144.55 h1.25
ASM TOP:
  drawing of 751 lines, arcs and shapes, not listed
  text "Assembly top" at 33.375,143.875 h1.25
  text "IC32" at 5.625,108.45 h1
  text "or" at 21.8,90.65 h0.55
  text "IC30" at 3.3,74.625 h1

## Dimensions
3.5,3.5 to 0,2.54 on Mechanical1
3.5,3.5 to 2.54,0 on Mechanical1
71.5,3.5 to 71.5,139.5 on Mechanical1
-15.2,-15.2 to 90.2,-15.2 on Mechanical1
0,2.54 to 75,2.54 on Mechanical1
-15.2,158.2 to -15.2,-15.2 on Mechanical1
2.54,0 to 2.54,143 on Mechanical1
3.5,3.5 to 71.5,3.5 on Mechanical1
3.5,139.5 to 14.3,93.875 on Mechanical1
14.3,93.875 to 14.3,32.275 on Mechanical1
14.3,32.275 to 14.9,36.125 on Mechanical1

## Text inside footprints (layer, text, board x,y; h text height)
AT1: ASM TOP "1" at 50.075,53.875 h0.55; ASM TOP "4" at 42.725,53.825 h0.55
D2: ASM TOP "A" at 66.342,41.15 h0.55; ASM TOP "C" at 62.208,41.1 h0.55
D3: ASM BOT "A" at 47.8,41.775 h0.55; ASM BOT "C" at 49.775,41.75 h0.55
IC1: Mechanical1 "0.2mm/0.5mm hole/ring vias under   / pad to be left open (no metal cap)" at 34.078,22.856 h0.35; ASM TOP "Pad size = 0.35mm / Pad paste mask = 0.35mm / No AM2 pad" at 36.628,21.506 h0.4; ASM TOP "Footprint revision: r5" at 35.203,23.906 h0.4; ASM TOP "1) paste/pad ratio ~60% / 2) 4 thermal pad vias  / without metal cap / 3) all other thermal pad  / vias with metal cap" at 35.853,12.631 h0.4
IC4: Mechanical13 "7" at 62.595,15.5 h0.2 r270; Mechanical13 "5" at 62.6,14.775 h0.2 r270; Mechanical13 "3" at 61.675,14.775 h0.2 r270; Mechanical13 "1" at 61.675,15.5 h0.2 r270; Mechanical13 "1" at 61.55,15.625 h0.2 r270; Mechanical13 "3" at 61.55,14.675 h0.2 r270; Mechanical13 "5" at 62.7,14.675 h0.2 r270; Mechanical13 "7" at 62.7,15.625 h0.2 r270
IC6: Mechanical13 "7" at 63.628,21.05 h0.2 r270; Mechanical13 "5" at 63.633,20.325 h0.2 r270; Mechanical13 "3" at 62.708,20.325 h0.2 r270; Mechanical13 "1" at 62.708,21.05 h0.2 r270; Mechanical13 "1" at 62.583,21.175 h0.2 r270; Mechanical13 "3" at 62.583,20.225 h0.2 r270; Mechanical13 "5" at 63.733,20.225 h0.2 r270; Mechanical13 "7" at 63.733,21.175 h0.2 r270
IC26: ASM BOT "1" at 3.4,129.6 h0.55; ASM BOT "21" at 20.25,117.95 h0.55; ASM BOT "29" at 10.05,117.925 h0.55; ASM BOT "14" at 20.225,129.6 h0.55; Mechanical13 "NO GND" at 3.8,121.64 h0.55 r180
J4: BottomOverlay "10" at 11.825,6.6 h0.55; BottomOverlay "2" at 6.375,6.65 h0.55; BottomOverlay "9" at 11.55,14.725 h0.55; BottomOverlay "1" at 6.3,14.7 h0.55
J5: BottomOverlay "10" at 11.75,17.694 h0.55; BottomOverlay "2" at 6.35,17.716 h0.55; BottomOverlay "9" at 11.575,26.072 h0.55; BottomOverlay "1" at 6.25,26.075 h0.55
J9: ASM BOT "6 / (A)" at 53.85,68.2 h0.55 r270; ASM BOT "12 / (A)" at 53.85,76.425 h0.55 r270; ASM BOT "13 / (C)" at 53.725,73.975 h0.55 r270; ASM BOT "7 / (C)" at 53.9,65.65 h0.55 r270; ASM BOT "board edge" at 71.875,69.125 h0.55 r270; ASM BOT "1" at 61.675,65.925 h0.55 r270; ASM BOT "2" at 59.125,67.075 h0.55 r270; ASM BOT "3" at 61.65,68.4 h0.55 r270; ASM BOT "4" at 59.088,69.625 h0.55 r270; ASM BOT "5" at 61.65,70.95 h0.55 r270; ASM BOT "8" at 59.075,74.725 h0.55 r270; ASM BOT "9" at 61.6,76.025 h0.55 r270; ASM BOT "10" at 59.15,76.975 h0.55 r270; ASM BOT "11" at 56.675,75.825 h0.55 r270; ASM BOT "Assembly Note: solder plated holes" at 67.725,62.95 h0.55 r270
J10: ASM BOT "PCB edge" at 39.625,139.65 h0.55; ASM BOT "T4" at 41.775,128.1 h0.55; ASM BOT "B4" at 41.775,130.8 h0.55; ASM BOT "B1" at 34.625,130.825 h0.55; ASM BOT "T1" at 34.7,128.025 h0.55
J13: ASM BOT "199" at 45.15,29.5 h0.55 r270; ASM BOT "200" at 37.15,29.5 h0.55 r270; ASM BOT "42" at 37.15,78.5 h0.55 r270; ASM BOT "41" at 45.15,78.5 h0.55 r270; ASM BOT "39" at 45.15,82 h0.55 r270; ASM BOT "40" at 37.15,81.5 h0.55 r270; ASM BOT "2" at 37.15,94 h0.55 r270; ASM BOT "1" at 45.65,94 h0.55 r270
J16: ASM TOP "1" at 54.525,139.25 h0.55; ASM TOP "8" at 62.075,139.25 h0.55
J19: ASM BOT "19" at 53.5,135.2 h0.55; ASM BOT "PCB edge" at 59.925,140.025 h0.55; ASM BOT "1" at 62.875,135.125 h0.55
J21: ASM BOT "1" at 8.235,140.65 h0.55; ASM BOT "2" at 15.535,137.05 h0.55; ASM BOT "3" at 10.235,133.95 h0.55; ASM BOT "4" at 15.135,140.65 h0.55; ASM BOT "5" at 13.435,133.95 h0.55; ASM BOT "Board edge" at 14.435,140.25 h0.55; BottomOverlay "5" at 13.435,131.15 h0.55; BottomOverlay "4" at 17.735,140.55 h0.55; BottomOverlay "3" at 10.235,131.25 h0.55; BottomOverlay "2" at 17.735,135.65 h0.55; BottomOverlay "1" at 5.85,141.075 h0.55
J22: ASM BOT "15" at 46,119.55 h0.55; ASM BOT "1" at 30,119.55 h0.55; ASM BOT "15" at 46,123.05 h0.55; ASM BOT "1" at 30,123.05 h0.55; BottomOverlay "15" at 46.4,118.75 h0.55; BottomOverlay "1" at 29.8,123.55 h0.55; BottomOverlay "15" at 46.4,123.55 h0.55; BottomOverlay "1" at 29.8,118.75 h0.55
J23: ASM BOT "15" at 46,115.625 h0.55; ASM BOT "15" at 46,112.125 h0.55; ASM BOT "1" at 30,115.625 h0.55; ASM BOT "1" at 30,112.125 h0.55; BottomOverlay "1" at 29.8,116.125 h0.55; BottomOverlay "15" at 46.4,111.325 h0.55; BottomOverlay "15" at 46.4,116.125 h0.55; BottomOverlay "1" at 29.8,111.325 h0.55
L2: ASM TOP "No polarity" at 44.875,48.825 h0.3
L3: ASM TOP "No polarity" at 55.425,59.025 h0.3
LED1: ASM BOT "A" at 3.25,60.275 h0.55; ASM BOT "C" at 1.65,60.225 h0.55
LED2: ASM BOT "C" at 1.65,67.712 h0.55; ASM BOT "A" at 3.45,67.712 h0.55
LED3: ASM BOT "C" at 1.625,75.212 h0.55; ASM BOT "A" at 3.425,75.212 h0.55
LED4: ASM BOT "C" at 1.625,82.712 h0.55; ASM BOT "A" at 3.425,82.712 h0.55
LED5: ASM BOT "C" at 1.625,90.212 h0.55; ASM BOT "A" at 3.425,90.212 h0.55
LED6: ASM BOT "A" at 3.4,52.7 h0.55; ASM BOT "C" at 1.6,52.675 h0.55
LS1: ASM BOT "positive (longer pin)" at 17.15,103.15 h0.55 r270
MECH2: ASM TOP "RF shield (frame + cover)" at 20.125,1.25 h0.55
MECH4: ASM TOP "RF shield (frame + cover)" at 20.425,85.35 h0.55
SB1: ASM BOT "Board edge" at 72.825,34.425 h0.55 r270
T1: Mechanical13 "Pri*" at 52.801,13.649 h0.2 r270; Mechanical13 "Pri" at 52.801,10.849 h0.2 r270; Mechanical13 "Sec*" at 58.601,13.649 h0.2 r270; Mechanical13 "Sec" at 58.601,10.949 h0.2 r270; Mechanical13 "NC" at 58.601,12.149 h0.2 r270
T2: Mechanical13 "Pri*" at 52.811,8.974 h0.2 r270; Mechanical13 "Pri" at 52.811,6.174 h0.2 r270; Mechanical13 "Sec*" at 58.611,8.974 h0.2 r270; Mechanical13 "Sec" at 58.611,6.274 h0.2 r270; Mechanical13 "NC" at 58.611,7.474 h0.2 r270
T3: Mechanical13 "Pri*" at 51.681,26.653 h0.2 r270; Mechanical13 "Pri" at 51.681,23.853 h0.2 r270; Mechanical13 "Sec*" at 57.481,26.653 h0.2 r270; Mechanical13 "Sec" at 57.481,23.953 h0.2 r270; Mechanical13 "NC" at 57.481,25.153 h0.2 r270